# Altium PCB Bran_Main_Assay_PCB_v2.PcbDoc (part 8 of 15) (continued)
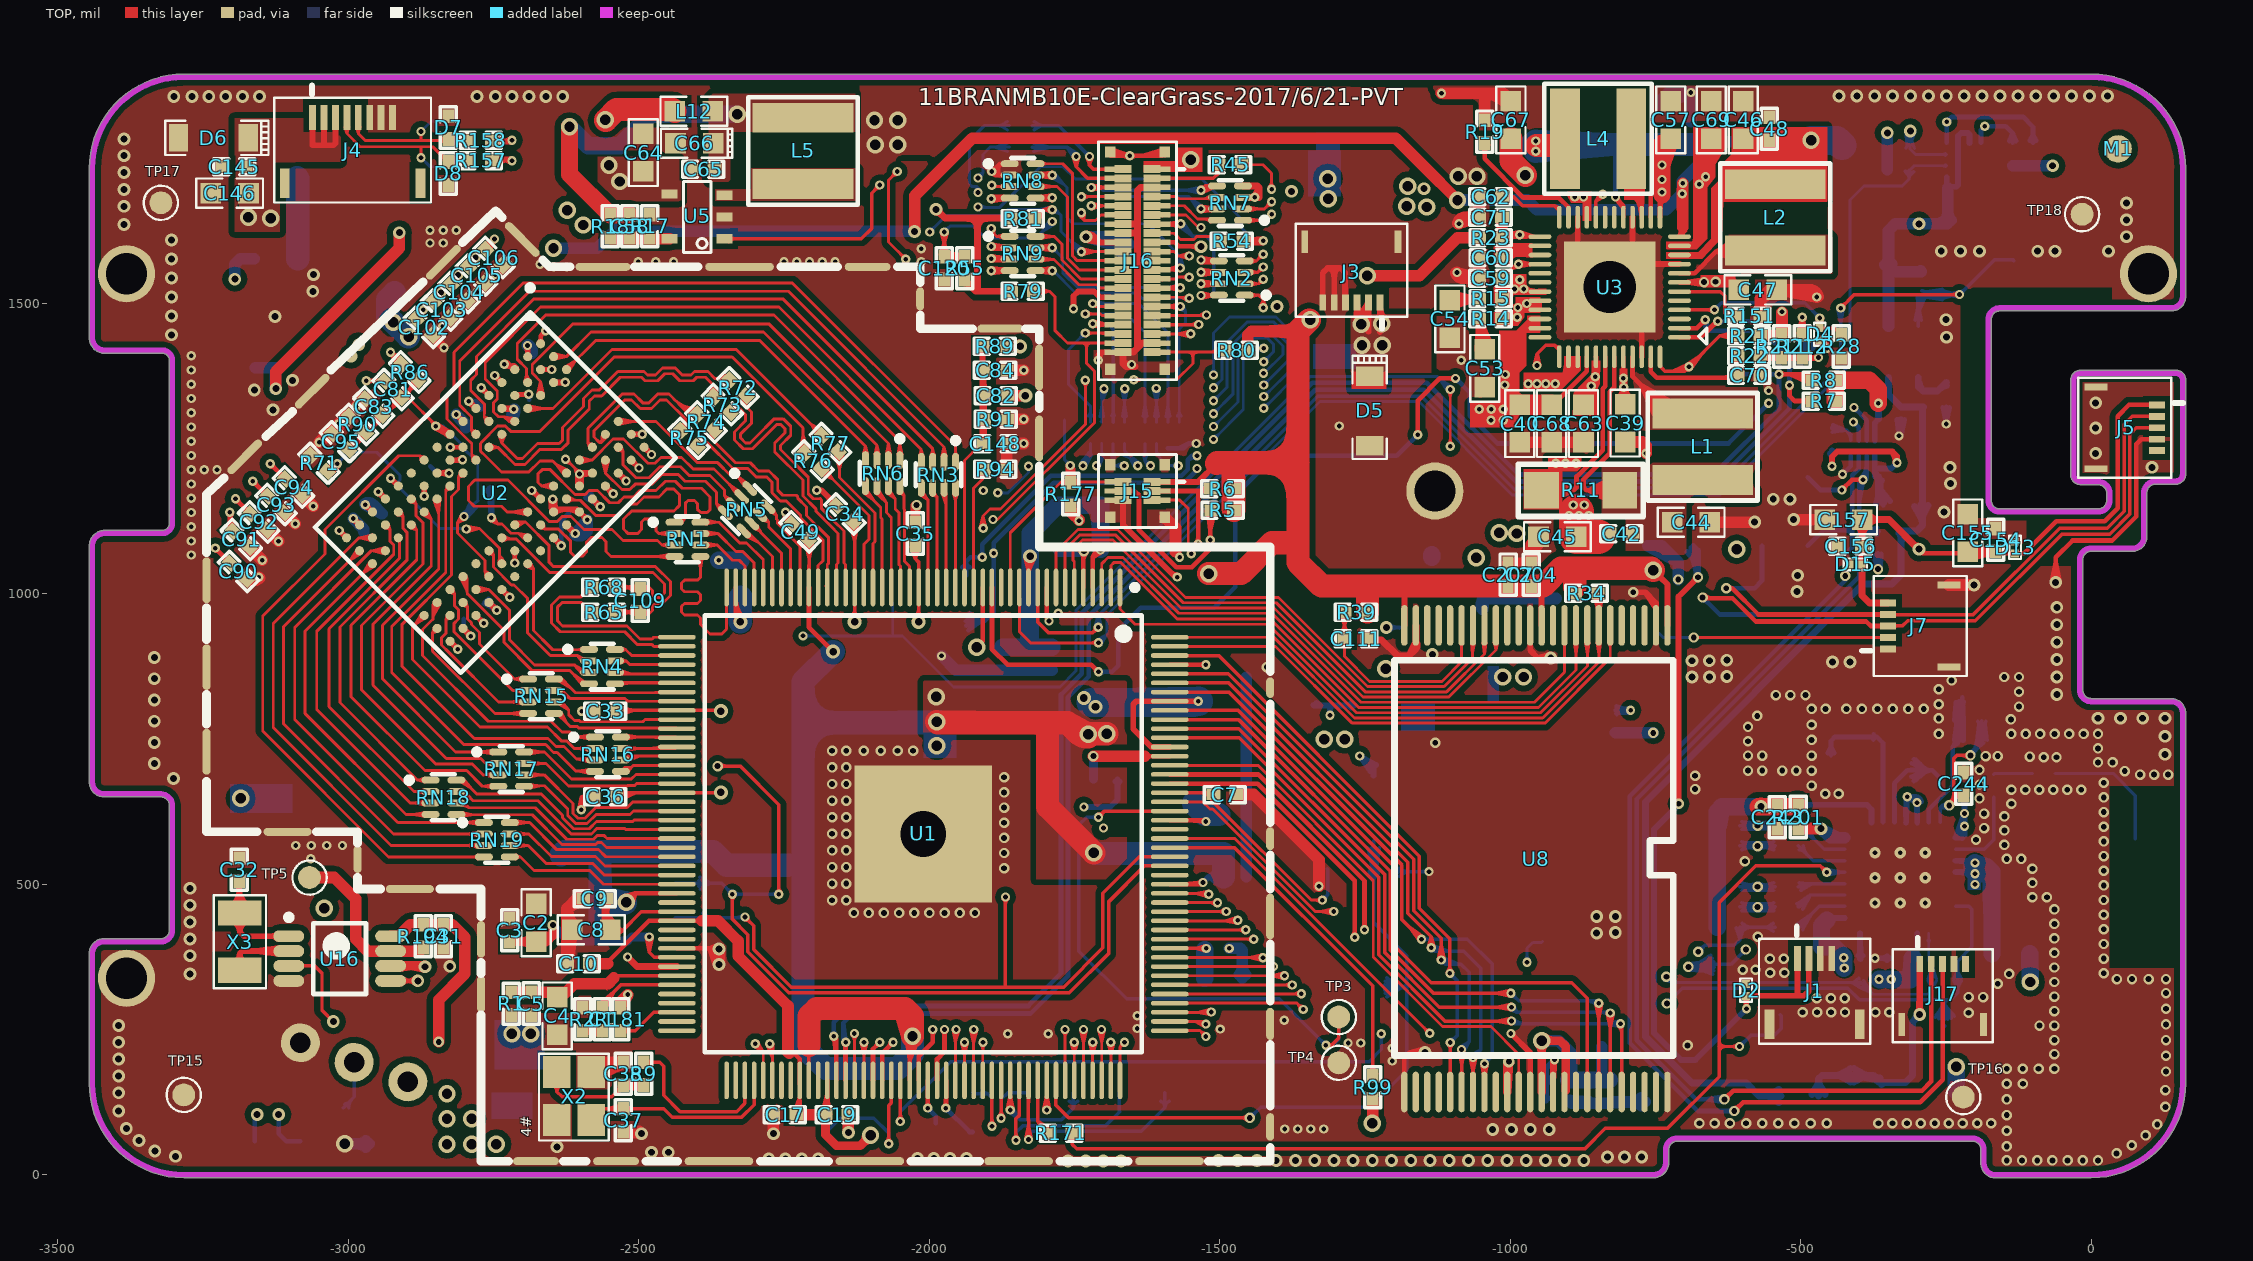
[diagram p0: TOP view]
## Nets (pads, with @x,y where several pads share a name; then routed paths per layer and width w, separated by ;. In a path a pad name is that pad's centre, name@x,y a point inside that pad or via, vN(x,y) a via of type N, cw(c..) or ccw(c..) an arc to the next point about the centre after c; other vN are vias at no path point) (continued)
LCD-DE: R44.2 U1.128 | length 2472.5
  TOP w5: v1@-1740.11,249.65 -1734.65,227.31 ; v1@-1739.99,249.02 -1735.1,240.47 ; v1@-1739.85,248.53 -1734.19,240.47 ; v1@-1738.53,246.42 cw(c-1747.92,237.03) -1734.65,237.03 cw(c-1721.37,237.03) v1@-1730.76,246.42 ; U1.128@-1734.84,162.71 -1734.65,162.9 v1(-1734.65,250.31) ; U1.128@-1734.84,191.26 -1734.65,210.19 ; v1@-1729.44,248.53 -1735.1,240.47 ; v1@-1729.3,249.02 -1734.19,240.47 ; v1@-1729.19,249.65 -1734.65,227.31 ; -1735.1,240.47 v1(-1734.65,250.31) ; -1734.65,227.31 v1(-1734.65,250.31) ; v1(-1734.65,250.31) -1734.19,240.47
  Singal w5: v1@-1921.8,1691 cw(c-1935.08,1691) -1925.69,1681.61 cw(c-1916.3,1672.22) v1@-1916.3,1685.5 ; v1@-1920.59,1694.44 -1934.3,1673 ; v1@-1912.85,1686.71 -1934.3,1673 ; v1@-1740.11,250.96 -1734.65,273.31 v1@-1729.19,250.96 ; v1@-1739.99,251.6 -1735.1,260.15 ; v1@-1739.85,252.08 -1734.19,260.15 ; v1@-1738.53,254.2 ccw(c-1747.92,263.59) -1734.65,263.59 ccw(c-1721.37,263.59) v1@-1730.76,254.2 ; v1@-1729.44,252.08 -1735.1,260.15 ; v1@-1729.3,251.6 -1734.19,260.15 ; -1934.3,1673 v1(-1916.3,1691) -1934.3,1673 ; -1934.3,1673 -1934.3,1288.59 -1834.54,1188.83 -1742.26,1188.83 -1660.65,1107.21 -1660.65,351.68 -1734.65,277.68 v1(-1734.65,250.31) ; -1735.1,260.15 v1(-1734.65,250.31) ; v1(-1734.65,250.31) -1734.19,260.15
  BOTTOM w5: R44.2@-1869.31,1800.81 ccw(c-1881.84,1788.27) -1881.84,1806 ccw(c-1881.84,1823.73) R44.2@-1869.31,1811.19 ; R44.2@-1866.49,1799.05 -1877.26,1806.6 ; R44.2@-1866.49,1812.95 -1877.26,1805.4 ; R44.2@-1865.84,1798.86 -1877.26,1805.4 ; R44.2@-1865.84,1813.14 -1877.26,1806.6 ; R44.2@-1862.15,1806 -1905.46,1806 -1930.8,1780.67 -1930.8,1705.5 -1926.3,1700.99 -1918.44,1700.99 ; -1918.44,1700.99 v1(-1916.3,1691) ; -1918.44,1700.99 -1911.43,1693.55 -1918.44,1700.99 ; -1918.44,1700.99 -1921.79,1691.33 -1918.44,1700.99 ; -1918.44,1700.99 v1(-1916.3,1691) ; -1918.44,1700.99 -1916.3,1698.85 v1(-1916.3,1691) ; -1877.26,1805.4 -1864.12,1806 -1877.26,1806.6
LCD-HSYNC: R46.2 U1.127 | length 2668.9
  TOP w5: v1@-1756.11,227.65 -1750.65,205.31 ; v1@-1755.99,227.02 -1751.1,218.47 ; v1@-1755.85,226.53 -1750.19,218.47 ; v1@-1754.53,224.42 cw(c-1763.92,215.03) -1750.65,215.03 cw(c-1737.37,215.03) v1@-1746.76,224.42 ; -1750.65,210.19 U1.127@-1750.59,191.26 ; U1.127@-1750.59,162.71 -1750.65,162.77 v1(-1750.65,228.31) ; v1@-1745.44,226.53 -1751.1,218.47 ; v1@-1745.3,227.02 -1750.19,218.47 ; v1@-1745.19,227.65 -1750.65,205.31 ; -1751.1,218.47 v1(-1750.65,228.31) ; -1750.65,205.31 v1(-1750.65,228.31) ; v1(-1750.65,228.31) -1750.19,218.47
  Singal w5: v1@-1912.46,1716 v1(-1916.3,1716) ; v1@-1756.11,228.96 -1750.65,251.31 v1@-1745.19,228.96 ; v1@-1755.99,229.6 -1751.1,238.15 ; v1@-1755.85,230.08 -1750.19,238.15 ; v1@-1754.53,232.2 ccw(c-1763.92,241.59) -1750.65,241.59 ccw(c-1737.37,241.59) v1@-1746.76,232.2 ; v1@-1745.44,230.08 -1751.1,238.15 ; v1@-1745.3,229.6 -1750.19,238.15 ; -1933.19,1716 v1(-1916.3,1716) ; -1933.19,1716 v1(-1916.3,1716) ; -1933.19,1716 -1917.19,1721.43 -1933.19,1716 ; -1933.19,1716 -1917.19,1710.57 -1933.19,1716 ; -1933.19,1716 v1(-1916.3,1716) ; -1933.19,1716 -1943.95,1705.24 -1943.95,1285.51 -1838.26,1179.83 -1745.99,1179.83 -1669.65,1103.48 -1669.65,355.83 -1750.65,274.83 v1(-1750.65,228.31) ; -1933.19,1716 v1(-1916.3,1716) ; -1929.58,1716 cw(c-1929.58,1702.72) -1920.19,1712.11 ccw(c-1929.58,1702.72) -1929.58,1716 ; -1929.58,1716 ccw(c-1929.58,1729.28) -1920.19,1719.89 cw(c-1929.58,1729.28) -1929.58,1716 ; -1926.14,1715.55 v1(-1916.3,1716) ; -1926.14,1715.55 -1918.08,1721.21 -1926.14,1715.55 ; -1926.14,1715.55 -1917.59,1710.65 -1926.14,1715.55 ; -1926.14,1715.55 v1(-1916.3,1716) ; -1926.14,1716.45 v1(-1916.3,1716) ; -1926.14,1716.45 -1917.59,1721.35 -1926.14,1716.45 ; -1926.14,1716.45 -1918.08,1710.79 -1926.14,1716.45 ; -1926.14,1716.45 v1(-1916.3,1716) ; -1751.1,238.15 v1(-1750.65,228.31) ; v1(-1750.65,228.31) -1750.19,238.15
  BOTTOM w5: v1@-1919.18,1720.69 -1907.94,1724.35 ; v1(-1916.3,1716) -1907.94,1724.35 ; v1@-1915.83,1721.48 ccw(c-1914.97,1731.38) -1907.95,1724.35 ; v1@-1911.61,1713.12 -1907.94,1724.35 ; v1@-1910.82,1716.47 cw(c-1900.92,1717.33) -1907.95,1724.35 ; R46.2@-1869.31,1763.81 ccw(c-1881.84,1751.27) -1881.84,1769 ccw(c-1881.84,1786.73) R46.2@-1869.31,1774.19 ; R46.2@-1866.49,1762.05 -1877.26,1769.6 ; R46.2@-1866.49,1775.95 -1877.26,1768.4 ; R46.2@-1865.84,1761.86 -1877.26,1768.4 ; R46.2@-1865.84,1776.14 -1877.26,1769.6 ; R46.2@-1865.2,1761.74 -1888.96,1769 ; R46.2@-1865.2,1776.26 -1888.96,1769 ; R46.2@-1862.15,1769 -1895.46,1769 -1907.94,1756.52 -1907.94,1724.35 ; -1888.96,1769 R46.2@-1864.12,1769 ; -1877.26,1768.4 R46.2@-1864.12,1769 ; -1877.26,1769.6 R46.2@-1864.12,1769
LCD-PWM0: TP26.1 U1.103 U9.5 | length 3439.8
  TOP w5: v1@-2134.36,242.02 -2129.47,233.47 ; v1@-2134.22,241.53 -2128.56,233.47 ; v1@-2132.9,239.42 cw(c-2142.29,230.03) -2129.02,230.03 cw(c-2115.74,230.03) v1@-2125.13,239.42 ; -2129.02,195.87 ccw(c-2123.92,195.87) U1.103@-2127.52,192.27 ; -2129.02,210.19 U1.103@-2128.54,191.26 ; U1.103@-2128.54,162.71 -2129.02,163.19 v1(-2129.02,243.31) ; v1@-2123.81,241.53 -2129.47,233.47 ; v1@-2123.67,242.02 -2128.56,233.47 ; v1@-1107.35,1257.89 ccw(c-1116.74,1267.28) -1103.46,1267.28 ccw(c-1090.19,1267.28) v1@-1099.58,1257.89 ; v1@-1107.35,1348.11 cw(c-1116.74,1338.72) -1103.46,1338.72 cw(c-1090.19,1338.72) v1@-1099.58,1348.11 ; v1(-1103.46,1254) v1(-1103.46,1352) ; -2129.47,233.47 v1(-2129.02,243.31) ; v1(-2129.02,243.31) -2128.56,233.47
  Singal w5: v1@-2222.95,927.58 cw(c-2234.97,927.23) -2226.46,918.72 ; v1@-2217.61,922.24 ccw(c-2217.96,910.22) -2226.46,918.72 ; v1(-2217.45,927.74) -2226.46,918.72 ; v1@-2134.45,244.17 -2129.02,260.83 ; v1@-2134.36,244.6 -2129.47,253.15 ; v1@-2134.22,245.08 -2128.56,253.15 ; v1@-2132.9,247.2 ccw(c-2142.29,256.59) -2129.02,256.59 ccw(c-2115.74,256.59) v1@-2125.13,247.2 ; v1@-2123.81,245.08 -2129.47,253.15 ; v1@-2123.67,244.6 -2128.56,253.15 ; v1@-2123.58,244.17 -2129.02,260.83 ; v3(-1213.46,942) -1228.46,957 -1228.46,1206 -1193.46,1241 -1115.46,1241 -1103.46,1253 v1(-1103.46,1254) ; -1113.56,1242.9 ccw(c-1124.66,1254) v1@-1108.96,1254 ; -1111.15,1245.32 cw(c-1103.46,1237.64) v1@-1103.46,1248.5 ; -2226.46,918.72 -2226.46,358.28 -2129.02,260.83 ; -2129.47,253.15 v1(-2129.02,243.31) ; v1(-2129.02,243.31) -2128.56,253.15 ; v1(-2129.02,243.31) -2129.02,260.83
  BOTTOM w5: v1(-2217.45,927.74) -2046.45,927.74 -1958.45,839.74 -1775.35,839.74 -1747.95,867.15 -1747.95,971.24 -1345.19,1374 -1125.46,1374 v1(-1103.46,1352) -1122.07,1370.61 ; v1@-2213.56,923.85 cw(c-2204.17,914.46) -2204.17,927.74 cw(c-2204.17,941.02) v1@-2213.56,931.63 ; -2062.99,928.21 TP26.1@-2062.99,984.25 ; v3@-1213.22,945.49 -1198.25,942.7 ; v3@-1212.9,938.55 -1198.25,942.7 ; v3@-1211.47,950.26 -1198.25,942.7 ; v3@-1210.72,933.96 -1198.25,942.7 ; v3@-1208.65,942 U9.5@-1188.92,942 ; v3@-1207.45,935.99 cw(c-1192.94,921.48) -1192.94,942 cw(c-1192.94,962.52) v3@-1207.45,948.01 ; v3@-1203.2,939.25 U9.5@-1188.92,942 ; v3@-1203.2,944.75 U9.5@-1188.92,942 ; U9.5@-1190.49,940.43 ccw(c-1194.29,936.63) -1194.29,942 ccw(c-1194.29,947.37) U9.5@-1190.49,943.57 ; U9.5@-1180.85,942 v3(-1213.46,942) -1198.25,942.7 ; v1@-1108.96,1352 ccw(c-1122.24,1352) -1112.85,1361.39 ccw(c-1103.46,1370.78) v1@-1103.46,1357.5 ; v1@-1107.74,1348.54 -1122.07,1370.61 ; v1@-1100,1356.27 -1122.07,1370.61
LCD-RESET-N: C120.2 J15.5 J16.19 R55.1 U1.117 | length 5070.4
  TOP w5: C120.2@-1981.71,1583.48 -1974.45,1607.24 ; C120.2@-1981.59,1584.12 -1975.05,1595.53 ; C120.2@-1981.4,1584.76 -1973.84,1595.53 ; v1@-1979.92,1622.34 -1974.45,1600 ; v1@-1979.81,1621.7 -1974.9,1613.13 ; C120.2@-1979.64,1587.59 ccw(c-1992.18,1600.12) -1974.45,1600.12 ccw(c-1956.72,1600.12) C120.2@-1969.26,1587.59 ; v1@-1979.67,1621.21 -1974,1613.18 ; v1@-1978.35,1619.11 cw(c-1987.78,1609.68) -1974.45,1609.68 ; C120.2@-1974.45,1578.46 R55.1@-1949.28,1575.84 ; -1974.45,1609.76 cw(c-1961.22,1609.76) v1@-1970.58,1619.11 ; v1@-1974.45,1624.74 v1(-1974.46,1623) ; C120.2@-1974.14,1571.12 R55.1@-1949.28,1575.84 ; C120.2@-1974.14,1589.73 R55.1@-1949.28,1585.01 ; C120.2@-1972.73,1573.29 -1961.31,1579.82 ; C120.2@-1972.73,1587.56 -1961.31,1581.03 ; C120.2@-1972.64,1575.28 R55.1@-1949.28,1585.01 ; C120.2@-1972.64,1585.57 R55.1@-1949.28,1575.84 ; C120.2@-1972.08,1573.48 -1961.31,1581.03 ; C120.2@-1972.08,1587.37 -1961.31,1579.82 ; C120.2@-1969.26,1575.23 cw(c-1956.72,1562.7) -1956.72,1580.43 cw(c-1956.72,1598.15) C120.2@-1969.26,1585.62 ; v1@-1969.26,1621.24 -1974.9,1613.13 ; v1@-1969.12,1621.71 -1974,1613.18 ; v1@-1969,1622.35 -1974.45,1600 ; C120.2@-1967.5,1584.76 -1975.05,1595.53 ; C120.2@-1967.31,1584.12 -1973.84,1595.53 ; C120.2@-1967.19,1583.48 -1974.45,1607.24 ; R55.1@-1944.64,1575.23 ccw(c-1957.18,1562.7) -1957.18,1580.43 ccw(c-1957.18,1598.15) R55.1@-1944.64,1585.62 ; R55.1@-1941.82,1573.48 -1952.59,1581.03 ; R55.1@-1941.82,1587.37 -1952.59,1579.82 ; R55.1@-1941.17,1573.29 -1952.59,1579.82 ; R55.1@-1941.17,1587.56 -1952.59,1581.03 ; R55.1@-1940.53,1573.16 -1964.29,1580.43 ; R55.1@-1940.53,1587.69 -1964.29,1580.43 ; v1@-1913.02,227.15 -1908.47,219.11 ; v1@-1911.53,224.42 cw(c-1919.9,216.05) -1908.07,216.05 ; U1.117@-1908.07,162.71 v1@-1908.07,227.88 ; U1.117@-1908.07,191.26 -1908.07,210.19 ; -1908.07,214.01 cw(c-1893.35,214.01) v1@-1903.76,224.42 ; v1(-1907.65,228.31) -1908.47,219.11 ; v1@-1902.56,226.21 -1908.47,219.11 ; J15.5@-1599.21,1159.84 ccw(c-1603.01,1156.05) -1603.01,1161.42 ccw(c-1603.01,1166.79) J15.5@-1599.21,1162.99 ; J16.19@-1599.21,1587.8 ccw(c-1603.01,1584) -1603.01,1589.37 ccw(c-1603.01,1594.74) J16.19@-1599.21,1590.94 ; J15.5@-1597.64,1161.42 J15.5@-1616.73,1161.42 J15.5@-1593.5,1161.42 -1569.04,1161.42 -1554.45,1146.83 -1554.45,1074.14 v1(-1549.3,1068.99) ; J16.19@-1597.64,1589.37 J16.19@-1616.73,1589.37 J16.19@-1593.5,1589.37 -1579.08,1589.37 ; J15.5@-1589.37,1161.42 -1569.65,1161.42 ; J16.19@-1589.37,1589.37 -1579.08,1589.37 ; J15.5@-1587.8,1159.84 cw(c-1584,1156.05) -1584,1161.42 cw(c-1584,1166.79) J15.5@-1587.8,1162.99 ; J16.19@-1587.8,1587.8 cw(c-1584,1584) -1584,1589.37 cw(c-1584,1594.74) J16.19@-1587.8,1590.94 ; v1@-1556.34,1577.85 ccw(c-1565.73,1568.46) -1565.73,1581.74 ccw(c-1565.73,1595.02) v1@-1556.34,1585.63 ; v1@-1554.22,1576.53 -1562.29,1582.19 ; v1@-1554.22,1586.95 -1562.29,1581.29 ; v1@-1553.74,1576.39 -1562.29,1581.29 ; v1@-1553.74,1587.09 -1562.29,1582.19 ; v1@-1553.24,1576.3 -1571.45,1581.74 ; v1@-1553.24,1587.18 -1571.45,1581.74 ; v1@-1551.45,1581.74 v1(-1552.45,1581.74) ; -1975.05,1595.53 C120.2@-1974.45,1582.39 ; -1974.9,1613.13 v1(-1974.46,1623) ; C120.2@-1974.45,1580.43 v1(-1974.46,1623) ; C120.2@-1974.45,1580.43 -1964.29,1580.43 ; C120.2@-1974.45,1580.43 -1964.29,1580.43 ; C120.2@-1974.45,1580.43 -1949.61,1580.43 ; C120.2@-1974.45,1580.43 -1964.29,1580.43 ; C120.2@-1974.45,1580.43 -1949.61,1580.43 ; C120.2@-1974.45,1580.43 -1961.31,1579.82 ; C120.2@-1974.45,1580.43 -1961.31,1581.03 ; C120.2@-1974.45,1580.43 R55.1@-1939.45,1580.43 ; C120.2@-1974.45,1582.39 R55.1@-1949.28,1585.01 ; C120.2@-1974.45,1582.39 -1974.45,1607.24 ; C120.2@-1974.45,1582.39 -1973.84,1595.53 ; -1974.45,1600 v1(-1974.46,1623) ; v1(-1974.46,1623) -1974,1613.18 ; C120.2@-1971.8,1573.58 -1964.29,1580.43 ; C120.2@-1971.8,1573.58 -1964.29,1580.43 ; C120.2@-1971.8,1573.58 -1964.29,1580.43 ; C120.2@-1971.8,1587.27 -1964.29,1580.43 ; C120.2@-1971.8,1587.27 -1964.29,1580.43 ; C120.2@-1971.8,1587.27 -1964.29,1580.43 ; -1964.29,1580.43 R55.1@-1939.45,1580.43 ; -1952.59,1579.82 R55.1@-1939.45,1580.43 ; -1952.59,1581.03 R55.1@-1939.45,1580.43 ; -1949.61,1580.43 -1973.36,1573.16 -1949.61,1580.43 ; -1949.61,1580.43 -1973.36,1587.69 -1949.61,1580.43 ; -1579.08,1589.37 -1571.45,1581.74 ; -1571.45,1581.74 v1(-1552.45,1581.74) ; -1571.45,1581.74 v1(-1552.45,1581.74) ; -1562.29,1581.29 v1(-1552.45,1581.74) ; -1562.29,1582.19 v1(-1552.45,1581.74)
  Singal w5: v1@-1979.93,1622.34 -1974.46,1600 ; v1@-1979.81,1621.71 -1974.92,1613.16 ; v1@-1979.67,1621.22 -1974.01,1613.16 ; v1@-1978.35,1619.11 cw(c-1987.74,1609.72) -1974.46,1609.72 cw(c-1961.19,1609.72) v1@-1970.58,1619.11 ; v1@-1969.26,1621.22 -1974.92,1613.16 ; v1@-1969.12,1621.71 -1974.01,1613.16 ; v1@-1969,1622.34 -1974.46,1600 ; v1@-1906.35,222.96 -1897.8,227.85 ; v1@-1905.87,233.51 -1897.8,227.85 ; v1@-1903.76,224.42 cw(c-1894.37,215.03) -1894.37,228.31 cw(c-1894.37,241.59) v1@-1903.76,232.2 ; v1@-1887.96,1174 ccw(c-1901.24,1174) -1891.85,1183.39 ccw(c-1882.46,1192.78) v1@-1882.46,1179.5 ; v1@-1885.93,1169.73 -1863.86,1155.39 v1@-1878.19,1177.46 ; v1@-1882.46,1168.5 cw(c-1882.46,1155.22) -1873.08,1164.61 cw(c-1863.69,1174) v1@-1876.96,1174 ; v1@-1828.17,1214.65 -1819.62,1219.55 ; v1@-1827.69,1225.21 -1819.62,1219.55 ; v1@-1825.58,1216.11 cw(c-1816.19,1206.72) -1816.19,1220 cw(c-1816.19,1233.28) v1@-1825.58,1223.89 ; v1@-1787.64,1635.53 -1765.3,1640.99 v1@-1787.64,1646.45 ; v1@-1787.01,1635.65 -1778.46,1640.54 ; v1@-1787.01,1646.34 -1778.46,1641.44 ; v1@-1786.52,1635.79 -1778.46,1641.44 ; v1@-1786.52,1646.2 -1778.46,1640.54 ; v1@-1784.41,1637.1 cw(c-1775.02,1627.71) -1775.02,1640.99 cw(c-1775.02,1654.27) v1@-1784.41,1644.88 ; v1@-1556.34,1577.85 ccw(c-1565.73,1568.46) -1565.73,1581.74 ccw(c-1565.73,1595.02) v1@-1556.34,1585.63 ; v1@-1554.22,1576.53 -1562.29,1582.19 ; v1@-1554.22,1586.95 -1562.29,1581.29 ; v1@-1553.74,1576.39 -1562.29,1581.29 ; v1@-1553.74,1587.09 -1562.29,1582.19 ; v1@-1553.11,1576.28 -1575.45,1581.74 ; v1@-1553.11,1587.2 -1575.45,1581.74 ; v1(-1549.3,1068.99) -1554.45,1074.14 -1554.45,1233.98 -1571.46,1251 -1760.46,1251 -1791.46,1220 v1(-1829.46,1220) -1819.62,1219.55 ; -1974.92,1613.16 v1(-1974.46,1623) ; -1974.46,1600 v1(-1974.46,1623) ; v1(-1974.46,1623) -1974.01,1613.16 ; v1(-1974.46,1623) -1974.46,1266 v1(-1882.46,1174) -1861.46,1153 -1815.46,1153 -1763.3,1100.83 -1763.3,924.61 -1792.3,895.61 -1792.3,282.47 -1846.46,228.31 v1(-1907.65,228.31) -1897.8,227.85 ; v1(-1788.3,1640.99) -1778.46,1641.44 ; v1(-1788.3,1640.99) -1778.46,1640.54 ; v1(-1788.3,1640.99) -1679.94,1640.99 -1620.69,1581.74 v1(-1552.45,1581.74) ; -1575.45,1581.74 v1(-1552.45,1581.74) ; -1562.29,1581.29 v1(-1552.45,1581.74) ; -1562.29,1582.19 v1(-1552.45,1581.74)
  BOTTOM w5: v1(-1974.46,1623) -1964.47,1632.99 -1923.79,1632.99 -1903.3,1612.5 -1816.79,1612.5 v1(-1788.3,1640.99) -1806.91,1622.39 ; v1@-1974.46,1628.5 ccw(c-1974.46,1641.78) -1965.08,1632.39 ccw(c-1955.69,1623) v1@-1968.96,1623 ; v1(-1882.46,1174) -1864.46,1174 -1829.46,1209 ; v1@-1878.58,1170.11 cw(c-1869.19,1160.72) -1869.19,1174 cw(c-1869.19,1187.28) v1@-1878.58,1177.89 ; v1@-1832.76,1215.6 cw(c-1837.71,1209) -1829.46,1209 ; v1(-1829.46,1220) -1829.46,1209 ; v1@-1826.16,1215.6 ccw(c-1821.22,1209) -1829.46,1209 ; v1@-1793.8,1640.99 cw(c-1807.08,1640.99) -1797.69,1631.6 cw(c-1788.3,1622.21) v1@-1788.3,1635.49 ; v1@-1792.57,1644.45 -1806.91,1622.39 ; v1@-1784.84,1636.72 -1806.91,1622.39
LCD-SPI1_CLK: J16.40 R79.2 U1.115 | length 2289.6
  TOP w5: v1@-1945.1,227.63 -1939.56,205.31 ; v1@-1944.99,226.99 -1940.02,218.33 ; v1@-1944.83,226.47 -1939.12,218.6 ; v1@-1943.53,224.42 cw(c-1953.13,214.82) -1939.56,214.82 ; U1.115@-1939.56,162.71 v1@-1939.56,228.22 ; U1.115@-1939.56,191.26 -1939.56,210.19 ; -1939.56,215.24 cw(c-1926.58,215.24) v1@-1935.76,224.42 ; v1@-1934.42,226.59 -1940.02,218.33 ; v1@-1934.29,227.04 -1939.12,218.6 ; v1@-1934.18,227.67 -1939.56,205.31 ; v1(-1890.46,1128) -1882.74,1128 -1715.46,1295.27 -1715.46,1383 -1729.46,1397 -1729.46,1431.89 ; R79.2@-1819.78,1521 -1793.46,1521 ; R79.2@-1816.7,1513.74 -1793.46,1521 ; R79.2@-1816.7,1528.26 -1793.46,1521 ; R79.2@-1816.09,1513.86 -1804.67,1520.4 ; R79.2@-1816.09,1528.14 -1804.67,1521.6 ; R79.2@-1815.44,1514.05 -1804.67,1521.6 ; R79.2@-1815.44,1527.95 -1804.67,1520.4 ; R79.2@-1812.62,1515.81 cw(c-1800.08,1503.27) -1800.08,1521 cw(c-1800.08,1538.73) R79.2@-1812.62,1526.19 ; -1713.82,1431.89 J16.40@-1694.09,1431.89 ; J16.40@-1695.67,1430.32 ccw(c-1699.46,1426.52) -1699.46,1431.89 ccw(c-1699.46,1437.26) J16.40@-1695.67,1433.46 ; J16.40@-1685.83,1431.89 J16.40@-1666.73,1431.89 J16.40@-1689.96,1431.89 -1729.46,1431.89 ; J16.40@-1684.25,1430.32 cw(c-1680.46,1426.52) -1680.46,1431.89 cw(c-1680.46,1437.26) J16.40@-1684.25,1433.46 ; -1940.02,218.33 v1(-1939.65,228.31) ; v1(-1939.65,228.31) -1939.56,205.31 ; v1(-1939.65,228.31) -1939.12,218.6 ; R79.2@-1817.81,1521 -1793.46,1521 ; R79.2@-1817.81,1521 -1804.67,1521.6 ; R79.2@-1817.81,1521 -1804.67,1520.4 ; -1793.46,1521 -1783.46,1511 -1783.46,1453 -1762.35,1431.89 -1729.46,1431.89
  Singal w5: v1@-1944.98,229.63 -1939.98,238.35 ; v1@-1944.82,230.18 -1939.08,237.95 ; v1@-1943.53,232.2 ccw(c-1953.24,241.9) -1939.52,241.9 ; -1939.52,241.27 ccw(c-1926.68,241.27) v1@-1935.76,232.2 ; v1@-1934.41,229.99 -1939.98,238.35 ; v1@-1934.29,229.56 -1939.08,237.95 ; v1@-1895.91,1127.22 -1890.46,1108.73 ; v1@-1895.81,1126.71 -1890.92,1118.16 ; v1@-1895.67,1126.22 -1890.01,1118.16 ; v1@-1894.35,1124.11 cw(c-1903.74,1114.72) -1890.46,1114.72 cw(c-1877.19,1114.72) v1@-1886.58,1124.11 ; v1@-1885.26,1126.22 -1890.92,1118.16 ; v1@-1885.12,1126.71 -1890.01,1118.16 ; v1@-1885.02,1127.22 -1890.46,1108.73 ; -1939.98,238.35 v1(-1939.65,228.31) ; v1(-1939.65,228.31) -1939.08,237.95 ; v1(-1939.65,228.31) -1939.52,228.44 -1939.52,256.31 -1939.65,256.44 -1939.65,262.68 -1923.02,279.31 -1897.44,279.31 -1821.46,355.28 -1821.46,868.55 -1845.15,892.23 -1845.15,1063.41 -1890.46,1108.73 ; -1890.92,1118.16 v1(-1890.46,1128) ; -1890.46,1108.73 v1(-1890.46,1128) ; -1890.46,1108.73 v1(-1890.46,1128) ; v1(-1890.46,1128) -1890.01,1118.16
LCD-SPI1_CS0: J16.41 R80.2 U1.114 | length 2425.1
  TOP w5: v1@-1959.5,249.96 -1955.31,227.2 ; v1@-1959.43,249.34 -1954.71,238.49 ; v1@-1957.9,246.42 cw(c-1964.17,240.15) -1955.31,240.15 ; U1.114@-1955.31,162.71 v1@-1955.31,249.01 ; U1.114@-1955.31,191.26 -1955.31,210.19 ; -1955.31,233.91 cw(c-1937.62,233.91) v1@-1950.13,246.42 ; v1@-1948.75,248.72 -1954.71,238.49 ; v1@-1948.6,249.35 -1955.31,227.2 ; v1@-1912.92,1113.72 -1907.46,1134 ; v1@-1912.81,1114.29 -1907.92,1122.84 ; v1@-1912.67,1114.78 -1907.01,1122.84 ; v1@-1911.35,1116.89 ccw(c-1920.74,1126.28) -1907.46,1126.28 ccw(c-1894.19,1126.28) v1@-1903.58,1116.89 ; v1@-1902.26,1114.78 -1907.92,1122.84 ; v1@-1902.12,1114.29 -1907.01,1122.84 ; v1@-1902.01,1113.72 -1907.46,1134 ; v1@-1736.67,1366.22 -1731.01,1358.16 ; v1@-1735.35,1364.11 cw(c-1744.74,1354.72) -1731.46,1354.72 cw(c-1718.19,1354.72) v1@-1727.58,1364.11 ; v1@-1726.12,1366.71 -1731.01,1358.16 ; v1(-1648.45,1368.74) -1574.45,1368.74 -1546.45,1396.74 -1546.45,1416.14 ; v1@-1644.56,1364.85 cw(c-1635.17,1355.46) -1635.17,1368.74 cw(c-1635.17,1382.02) v1@-1644.56,1372.63 ; J16.41@-1599.21,1414.57 ccw(c-1603.01,1410.77) -1603.01,1416.14 ccw(c-1603.01,1421.51) J16.41@-1599.21,1417.71 ; J16.41@-1597.64,1416.14 J16.41@-1616.73,1416.14 J16.41@-1593.5,1416.14 -1546.45,1416.14 ; J16.41@-1589.37,1416.14 -1569.65,1416.14 ; J16.41@-1587.8,1414.57 cw(c-1584,1410.77) -1584,1416.14 cw(c-1584,1421.51) J16.41@-1587.8,1417.71 ; -1519.52,1416.14 ccw(c-1519.52,1446.15) R80.2@-1498.29,1424.93 ; -1507.44,1416.14 ccw(c-1507.44,1434.08) R80.2@-1494.76,1421.4 ; R80.2@-1495.51,1426.68 -1511.75,1417.16 ; R80.2@-1493.54,1412.41 -1511.75,1417.16 ; R80.2@-1493.1,1419.74 -1511.75,1417.16 ; R80.2@-1491.13,1419.74 -1494.73,1416.14 -1546.45,1416.14 ; -1955.31,227.2 v1(-1954.02,250.31) -1954.71,238.49 ; -1907.92,1122.84 v1(-1907.46,1113) ; v1(-1907.46,1113) -1907.01,1122.84 ; v1(-1907.46,1113) -1907.46,1134 ; -1907.46,1134 -1895.46,1146 -1877.46,1146 -1731.46,1292 v1(-1731.46,1368) -1731.01,1358.16
  Singal w5: v1@-1959.48,250.96 -1954.02,273.31 ; v1@-1959.36,251.6 -1954.47,260.15 ; v1@-1959.22,252.08 -1953.56,260.15 ; v1@-1957.9,254.2 ccw(c-1967.29,263.59) -1954.02,263.59 ccw(c-1940.74,263.59) v1@-1950.13,254.2 ; v1@-1948.81,252.08 -1954.47,260.15 ; v1@-1948.67,251.6 -1953.56,260.15 ; v1@-1948.56,250.96 -1954.02,273.31 ; v1@-1907.46,1107.5 cw(c-1907.46,1094.22) -1898.08,1103.61 cw(c-1888.69,1113) v1@-1901.96,1113 ; v1(-1907.46,1113) -1854.15,1059.68 -1854.15,888.5 -1830.46,864.82 -1830.46,359.01 -1901.16,288.31 -1939.02,288.31 -1954.02,273.31 ; v1(-1731.46,1368) -1715.46,1384 -1663.71,1384 v1(-1648.45,1368.74) ; v1@-1731.46,1373.5 ccw(c-1731.46,1386.78) -1722.08,1377.39 ccw(c-1712.69,1368) v1@-1725.96,1368 ; v1@-1653.95,1368.74 ccw(c-1667.23,1368.74) -1657.84,1378.13 ccw(c-1648.45,1387.52) v1@-1648.45,1374.24 ; -1954.47,260.15 v1(-1954.02,250.31) ; v1(-1954.02,250.31) -1953.56,260.15 ; v1(-1954.02,250.31) -1954.02,273.31
LCD-SPI1_MOSI: J16.20 R81.2 U1.116 | length 3418.8
  TOP w5: v1@-1929.11,249.69 -1923.82,227.31 ; v1@-1929,249.07 -1924.25,240.73 ; v1@-1928.89,248.65 -1923.35,240.2 ; v1@-1927.53,246.42 cw(c-1936.51,237.45) -1923.82,237.45 ; U1.116@-1923.82,162.71 v1@-1923.82,250.13 ; U1.116@-1923.82,191.26 -1923.82,210.19 ; -1923.82,236.61 cw(c-1909.95,236.61) v1@-1919.76,246.42 ; v1@-1918.49,248.4 -1924.25,240.73 ; v1@-1918.31,248.97 -1923.35,240.2 ; v1@-1918.19,249.61 -1923.82,227.31 ; R81.2@-1822.39,1651.74 -1804.28,1661.5 ; R81.2@-1821.78,1652.18 -1807.84,1656.76 ; R81.2@-1819.78,1646 -1804.28,1661.5 ; R81.2@-1817.81,1653.34 ccw(c-1817.81,1666.32) -1808.64,1657.14 ; R81.2@-1811.51,1642.24 -1804.28,1661.5 ; R81.2@-1811.35,1642.52 -1807.84,1656.76 ; R81.2@-1810.47,1646.14 cw(c-1789.34,1646.55) -1804.28,1661.5 ; v1@-1792.19,1657.61 ccw(c-1801.58,1648.22) -1801.58,1661.5 ccw(c-1801.58,1674.77) v1@-1792.19,1665.39 ; v1@-1790.08,1656.29 -1798.14,1661.95 ; v1@-1790.08,1666.7 -1798.14,1661.04 ; v1@-1789.59,1656.15 -1798.14,1661.04 ; v1@-1789.59,1666.84 -1798.14,1661.95 ; v1@-1789.25,1656.08 -1804.28,1661.5 ; v1@-1789.25,1666.91 -1804.28,1661.5 ; v1@-1737.92,1589.37 J16.20@-1689.96,1589.37 J16.20@-1666.73,1589.37 J16.20@-1685.83,1589.37 ; v1@-1737.73,1594.46 -1715.29,1589.37 ; v1@-1737.55,1583.54 -1715.29,1589.37 ; v1@-1737.12,1594.36 -1729.04,1589.78 ; v1@-1736.91,1583.67 -1727.88,1588.87 ; v1@-1736.79,1594.28 -1727.88,1588.87 ; v1@-1736.23,1583.89 -1729.04,1589.78 ; v1@-1734.41,1585.1 cw(c-1724.11,1574.8) -1724.11,1589.37 ; v1@-1734.41,1592.88 ccw(c-1725.93,1601.36) -1725.93,1589.37 ; -1713.82,1589.37 J16.20@-1694.09,1589.37 ; J16.20@-1695.67,1587.8 ccw(c-1699.46,1584) -1699.46,1589.37 ccw(c-1699.46,1594.74) J16.20@-1695.67,1590.94 ; J16.20@-1684.25,1587.8 cw(c-1680.46,1584) -1680.46,1589.37 cw(c-1680.46,1594.74) J16.20@-1684.25,1590.94 ; -1924.25,240.73 v1(-1923.65,250.31) ; -1923.82,227.31 v1(-1923.65,250.31) ; v1(-1923.65,250.31) -1923.35,240.2 ; -1807.84,1656.76 -1817.81,1646 -1804.28,1661.5 ; -1804.28,1661.5 v1(-1788.3,1661.5) ; -1804.28,1661.5 v1(-1788.3,1661.5) ; -1798.14,1661.04 v1(-1788.3,1661.5) ; -1798.14,1661.95 v1(-1788.3,1661.5) ; v1(-1738.3,1588.99) -1715.29,1589.37 ; v1(-1738.3,1588.99) -1729.04,1589.78 ; v1(-1738.3,1588.99) -1727.88,1588.87
  Singal w5: v1@-2004.81,1621.69 -1999.86,1613.07 ; v1@-2004.65,1621.18 -1998.96,1613.25 ; v1@-2003.35,1619.11 cw(c-2012.89,1609.58) -1999.41,1609.58 ; v1@-1999.46,1626 -1999.41,1625.94 v1(-1999.46,1623) -1999.41,1599.4 -1986.16,1586.16 -1986.16,1235.86 -1897.3,1146.99 -1871.78,1146.99 -1802.77,1077.98 -1802.77,1051.69 -1836.15,1018.32 -1836.15,895.96 -1812.46,872.28 -1812.46,351.55 -1913.71,250.31 ; -1999.41,1609.86 cw(c-1986.33,1609.86) v1@-1995.58,1619.11 ; v1@-1994.24,1621.27 -1999.86,1613.07 ; v1@-1994.11,1621.73 -1998.96,1613.25 ; v1@-1925.99,255.28 -1899.15,264.87 ; v1@-1925.71,255.41 -1905.01,260.8 ; v1@-1924.13,255.79 -1911.05,254.18 ; v1@-1923.65,245.81 ccw(c-1923.65,258.93) -1914.36,249.65 ; v1@-1923.65,250.81 ccw(c-1923.65,276) -1905.83,258.19 ; v1@-1923.65,255.81 ccw(c-1923.65,293.07) -1897.29,266.72 ; v1@-1920.97,245.5 -1911.05,254.18 ; v1@-1920.39,245.87 -1899.15,264.87 ; v1@-1920.35,245.9 -1905.01,260.8 ; v1@-1918.98,247.39 cw(c-1913.71,244.08) -1913.71,250.31 ; v1@-1918.98,253.23 ccw(c-1913.71,256.53) -1913.71,250.31 ; -1999.86,1613.07 v1(-1999.46,1623) -1998.96,1613.25 ; v1(-1923.65,250.31) -1913.71,250.31 ; v1(-1923.65,250.31) -1899.15,264.87 ; v1(-1923.65,250.31) -1911.05,254.18 ; v1(-1923.65,250.31) -1905.01,260.8 ; v1(-1923.65,250.31) -1913.71,250.31 ; -1913.71,250.31 -1922.12,245.02 -1913.71,250.31 ; -1913.71,250.31 -1922.12,255.59 -1913.71,250.31
  BOTTOM w5: v1(-1999.46,1623) -1970.97,1651.49 -1875.3,1651.49 -1864.79,1662 -1788.3,1662 -1783.46,1662 -1773.3,1651.83 ; v1@-1999.46,1628.5 ccw(c-1999.46,1641.78) -1990.08,1632.39 ccw(c-1980.69,1623) v1@-1993.96,1623 ; -1802.79,1662 cw(c-1802.79,1647) v1@-1792.19,1657.61 ; -1800.36,1662 ccw(c-1800.36,1673.56) v1@-1792.19,1665.39 ; v1@-1790.47,1656.44 -1797.37,1662.39 ; v1@-1790.06,1656.28 -1779.23,1655.54 ; v1@-1789.73,1666.81 -1798.91,1661.49 ; v1@-1789.72,1656.18 -1798.91,1661.49 ; v1@-1789.43,1666.88 -1797.37,1662.39 ; v1@-1789.08,1656.05 -1811.31,1662 ; v1@-1788.84,1666.97 -1811.31,1662 ; v1@-1788.2,1661.01 cw(c-1786.45,1651.98) -1779.95,1658.48 ; v1@-1787.25,1656.1 cw(c-1784.28,1640.85) -1773.3,1651.84 ; v1@-1784.21,1665.18 -1779.23,1655.54 ; v1@-1743.8,1588.99 ccw(c-1757.08,1588.99) -1747.69,1598.38 ccw(c-1738.3,1607.77) v1@-1738.3,1594.49 ; v1@-1742.57,1585.53 -1756.91,1607.6 ; v1@-1734.84,1593.27 -1756.91,1607.6 ; -1811.31,1662 v1(-1788.3,1661.5) ; -1798.91,1661.49 v1(-1788.3,1661.5) ; -1797.37,1662.39 v1(-1788.3,1661.5) ; v1(-1788.3,1661.5) -1779.23,1655.54 ; -1773.3,1651.83 -1773.3,1623.99 v1(-1738.3,1588.99) -1756.91,1607.6